# KiCad board SlowLampLEDPanel.kicad_pcb (continued)
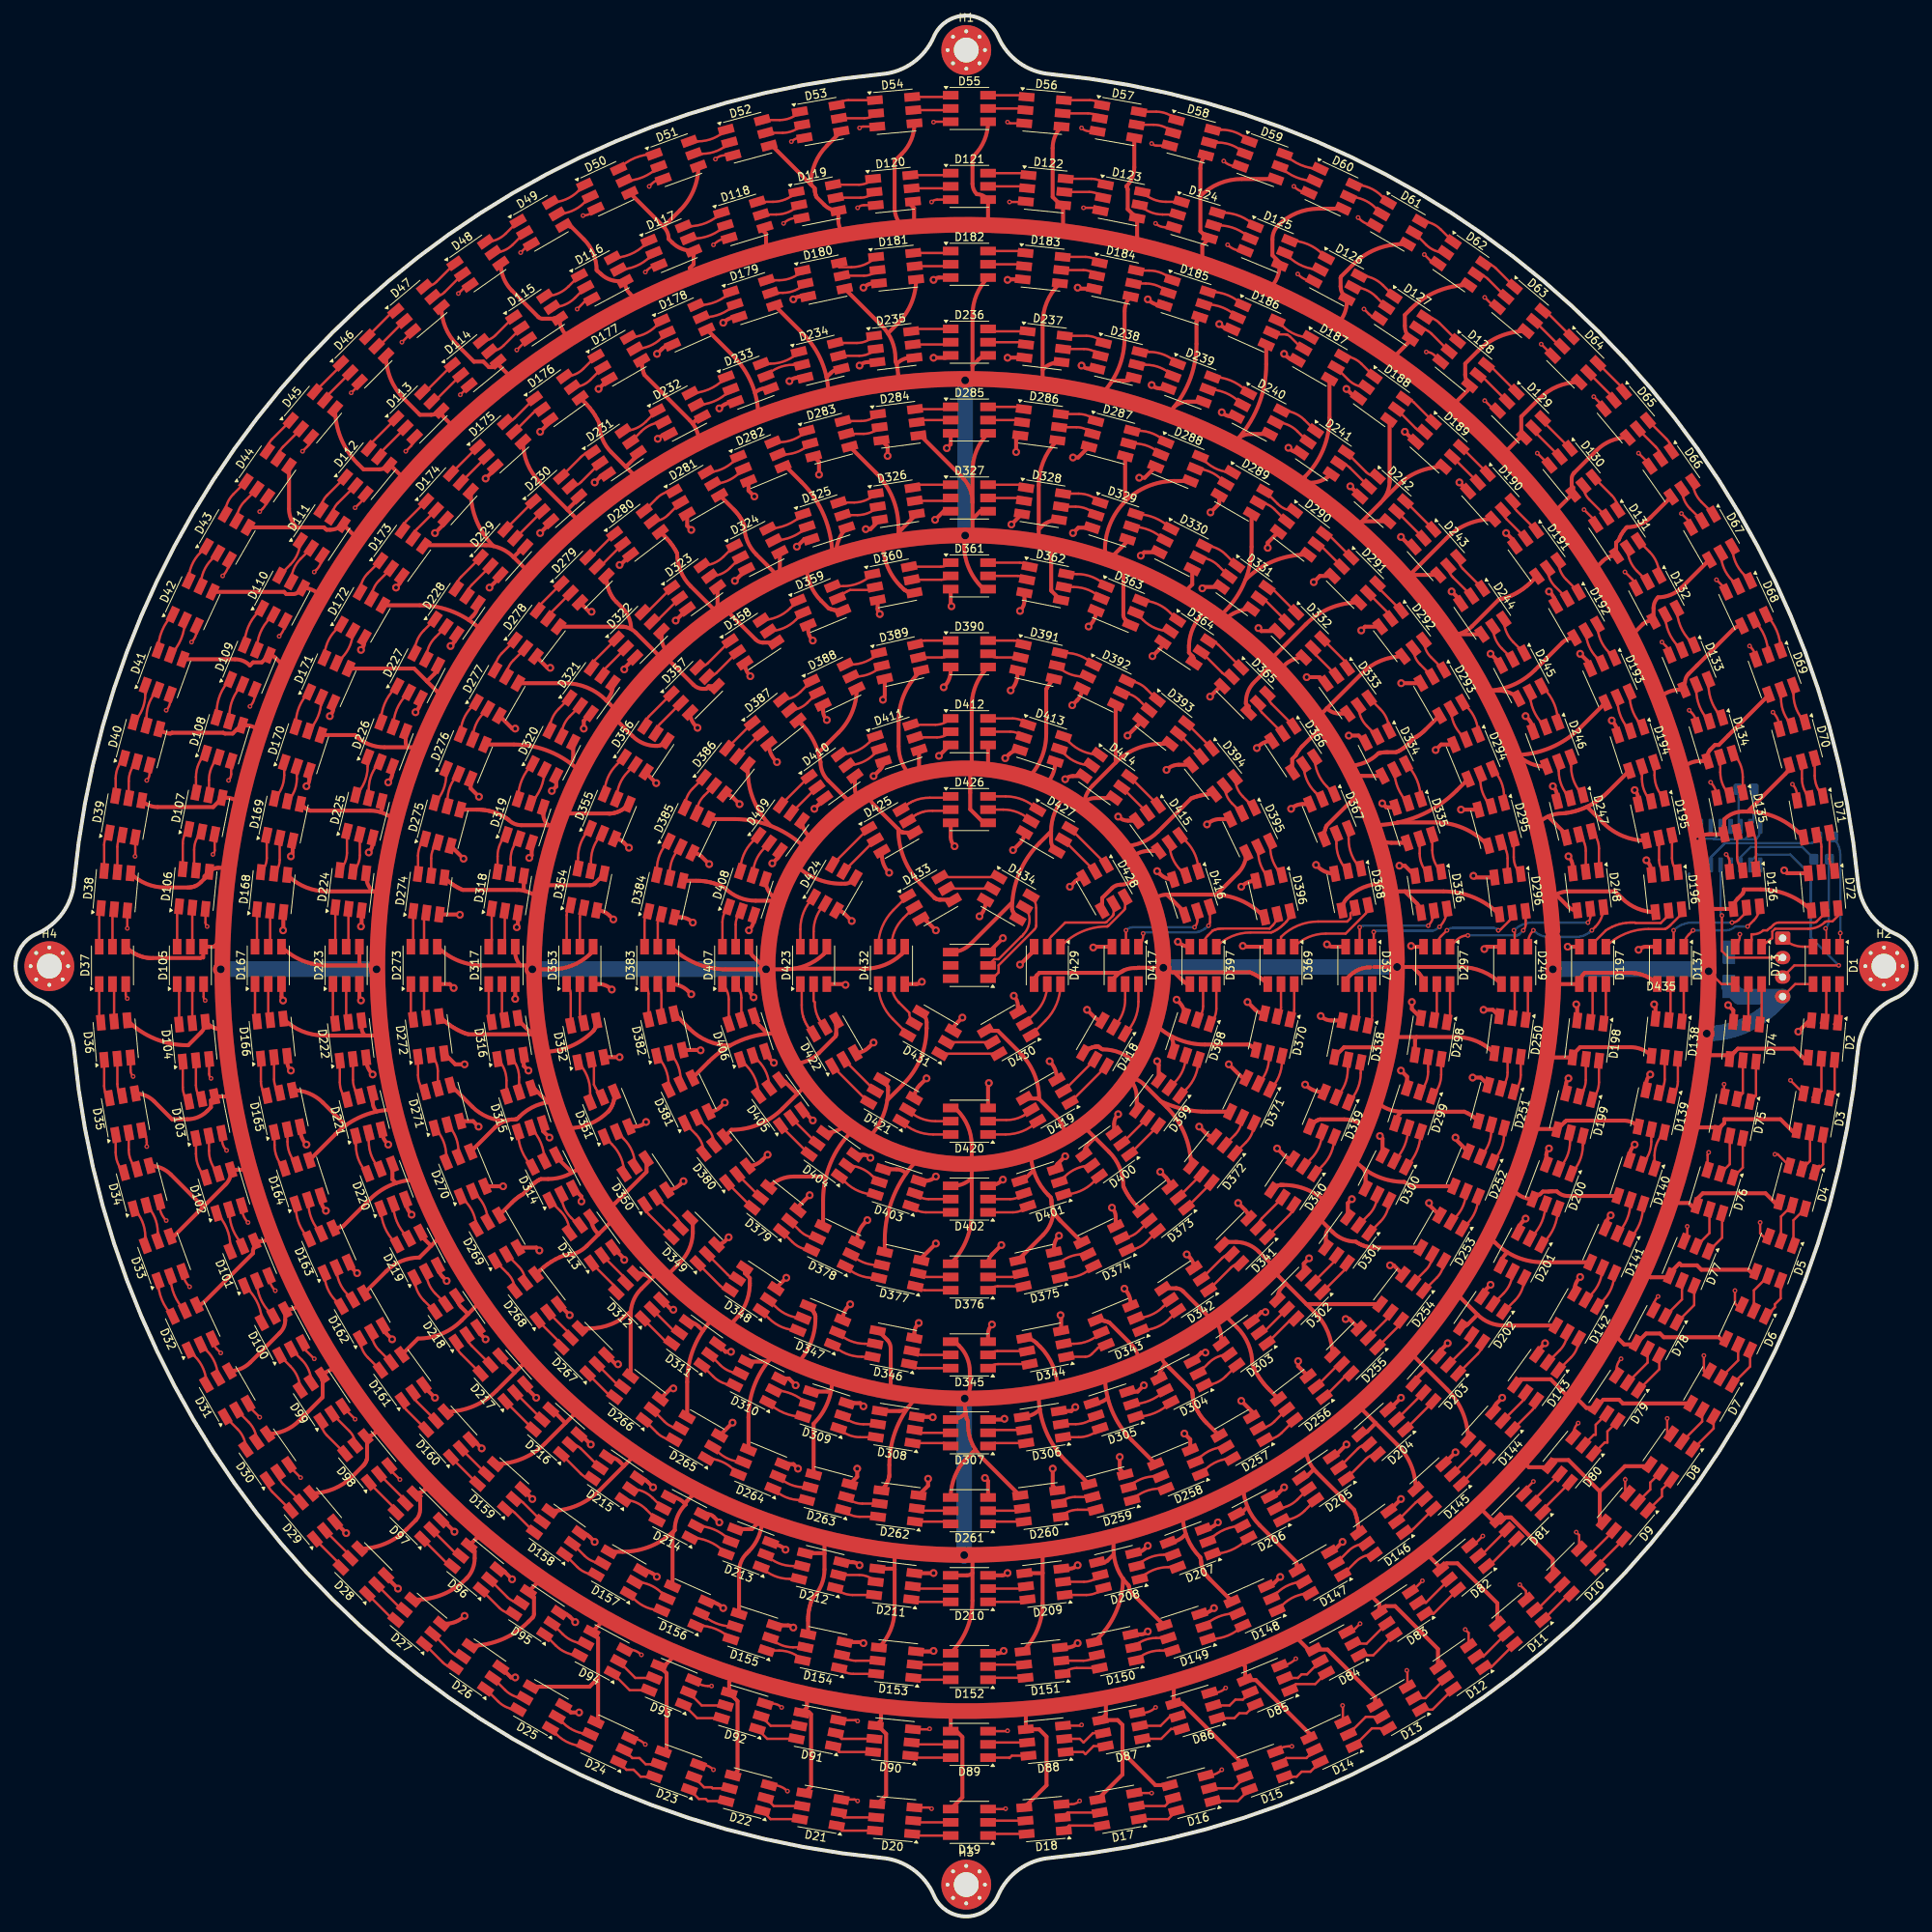
[diagram p0: board, top side]
## Routing (per net, layer and track width the routed paths; a pad name or vN(x,y) marks a point on that pad's centre or on a via; arc(x,y) is an arc through that point) (continued)
CKI: length 11.4
  Top w0.2: D1.2 232.44,126.73 v2(232.34,126.83)
  Bottom w0.3: 232.75,135.71 232.75,127.83 arc(232.64,127.29) v2(232.34,126.83)
SDI: length 14.5
  Top w0.2: v2(234.24,126.23) 234.24,124.58 D1.1
  Bottom w0.2: v2(234.24,126.23) 234.34,126.33
  Bottom w0.3: v2(234.24,126.23) 234.24,136.2 arc(233.98,137.49) 233.25,138.58
Net-(D1-CO): length 5.2
  Top w0.3: 231.94,114.89 231.73,114.68 ; D2.2 232.44,115.09 D1.5
Net-(D1-DO): length 5.3
  Top w0.3: D2.1 234.14,114.95 D1.6 ; 233.64,114.75 233.42,114.53
Net-(D2-CO): length 5.9
  Top w0.3: D2.5 231.81,105.97 D3.2 ; 231.31,105.77 230.68,105.14
Net-(D2-DO): length 6.1
  Top w0.3: 233,105.49 232.36,104.85 ; D3.1 233.5,105.69 D2.6
Net-(D3-CO): length 6.6
  Top w0.3: 229.85,96.77 228.81,95.73 ; D3.5 230.35,96.97 D4.2
Net-(D3-DO): length 6.8
  Top w0.3: D3.6 232.02,96.56 D4.1 ; 231.52,96.36 230.45,95.29
Net-(D4-CO): length 5.2
  Top w0.3: D5.2 226.62,89.85 D4.5
Net-(D4-DO): length 5.3
  Top w0.3: D5.1 228.22,89.36 D4.6
Net-(D5-CO): length 5.2
  Top w0.3: D5.5 223.14,80.36 D6.2
Net-(D5-DO): length 5.4
  Top w0.3: D6.1 225.84,78.2 225.84,78.58 226.58,79.32 D5.6
Net-(D6-CO): length 5.2
  Top w0.3: D7.2 221.12,71.37 D6.5
Net-(D6-DO): length 5.3
  Top w0.3: D6.6 222.66,70.59 D7.1
Net-(D7-CO): length 5.1
  Top w0.3: D8.2 216.5,63.53 D7.5
Net-(D7-DO): length 5.3
  Top w0.3: D7.6 217.97,62.64 D8.1
Net-(D8-CO): length 5
  Top w0.3: D8.5 209.84,55.69 209.84,54.8 D9.2
Net-(D8-DO): length 5.2
  Top w0.3: D9.1 211.34,53.91 211.34,54.82 D8.6
Net-(D10-CI): length 4.9
  Top w0.3: D9.5 201.92,46.29 D10.2
Net-(D10-CO): length 4.9
  Top w0.3: D11.2 195.28,39.36 D10.5
Net-(D10-DI): length 5
  Top w0.3: D10.1 203.12,45.1 D9.6
Net-(D10-DO): length 5
  Top w0.3: D11.1 199.42,41.4 D10.6
Net-(D11-CO): length 5
  Top w0.3: D12.2 188.38,33.35 D11.5
Net-(D11-DO): length 5.2
  Top w0.3: D12.1 189.38,31.96 D11.6
Net-(D12-CO): length 5.1
  Top w0.3: D13.2 180.98,28.02 D12.5
Net-(D12-DO): length 5.3
  Top w0.3: D13.1 181.88,26.54 D12.6
Net-(D13-CO): length 5.2
  Top w0.3: D13.5 173.32,25.62 D14.2
Net-(D13-DO): length 5.3
  Top w0.3: D13.6 174.1,24.14 D14.1
Net-(D14-CO): length 5.2
  Top w0.3: D14.5 165.71,20.33 163.11,20.33 D15.2
Net-(D14-DO): length 5.4
  Top w0.3: D14.6 166.22,18.58 165.09,18.58 164.44,17.94 D15.1
Net-(D15-CO): length 5.2
  Top w0.3: D16.2 156.36,16.45 D15.5
Net-(D15-DO): length 5.3
  Top w0.3: D15.6 156.9,14.81 D16.1
Net-(D16-CO): length 5.1
  Top w0.3: D17.2 147.55,14.17 D16.5
Net-(D16-DO): length 5.3
  Top w0.3: D16.6 147.96,12.49 D17.1
Net-(D17-CO): length 5
  Top w0.3: D17.5 135.04,13.33 D18.2
Net-(D17-DO): length 5.2
  Top w0.3: D17.6 135.21,11.66 D18.1
Net-(D18-CO): length 4.9
  Top w0.3: D18.5 125.05,12.29 D19.2
Net-(D18-DO): length 5
  Top w0.3: D19.1 125.05,10.6 D18.6
Net-(D19-CO): length 4.9
  Top w0.3: D19.5 115.45,12.08 D20.2
Net-(D19-DO): length 5
  Top w0.3: D20.1 115.31,10.38 D19.6
Net-(D20-CO): length 5
  Top w0.3: D21.2 106.33,12.71 D20.5
Net-(D20-DO): length 5.2
  Top w0.3: D20.6 106.05,11.01 D21.1
Net-(D21-CO): length 5.1
  Top w0.3: D22.2 97.32,14.17 D21.5
Net-(D21-DO): length 5.3
  Top w0.3: D21.6 96.92,12.49 D22.1
Net-(D22-CO): length 5.2
  Top w0.3: D23.2 88.38,16.58 89.34,16.58 89.47,16.45 D22.5
Net-(D22-DO): length 5.3
  Top w0.3: D22.6 88.86,14.81 88.59,15.08 87.7,15.08 D23.1
Net-(D23-CO): length 5.2
  Top w0.3: D24.2 79.17,20.33 80.09,20.33 80.88,19.53 D23.5
Net-(D23-DO): length 5.4
  Top w0.3: D23.6 80.23,17.94 79.34,18.83 78.41,18.83 D24.1
Net-(D24-CO): length 5
  Top w0.3: D25.2 70.29,24.84 arc(71.89,23.77) D24.5
Net-(D24-DO): length 5.1
  Top w0.3: D25.1 69.46,23.35 arc(71.11,22.25) D24.6
Net-(D25-CO): length 5
  Top w0.3: D26.2 62.85,29.06 arc(64,28.29) D25.5
Net-(D25-DO): length 5.1
  Top w0.3: D26.1 61.92,27.62 arc(63.11,26.82) D25.6
Net-(D26-CO): length 4.9
  Top w0.3: D27.2 55.86,33.98 arc(56.56,33.51) D26.5
Net-(D26-DO): length 5.1
  Top w0.3: D27.1 54.84,32.6 arc(55.56,32.12) D26.6
Net-(D27-CO): length 4.9
  Top w0.3: D28.2 49.39,39.57 arc(49.62,39.41) D27.5
Net-(D27-DO): length 5
  Top w0.3: D28.1 48.28,38.27 arc(48.52,38.11) D27.6
Net-(D28-CO): length 4.9
  Top w0.3: D29.2 42.75,46.5 arc(42.9,46.27) D28.5
Net-(D28-DO): length 5
  Top w0.3: D29.1 41.54,45.31 arc(41.7,45.07) D28.6
Net-(D29-CO): length 4.9
  Top w0.3: D29.5 34.33,55.51 arc(33.87,56.2) D30.2
Net-(D29-DO): length 5.1
  Top w0.3: D29.6 32.96,54.49 arc(32.48,55.2) D30.1
Net-(D30-CO): length 5
  Top w0.3: D31.2 29.91,63.46 arc(30.68,62.31) D30.5
Net-(D30-DO): length 5.1
  Top w0.3: D31.1 28.49,62.56 arc(29.28,61.38) D30.6
Net-(D31-CO): length 5
  Top w0.3: D32.2 24.53,72.64 arc(25.6,71.04) D31.5
Net-(D31-DO): length 5.1
  Top w0.3: D32.1 23.01,71.9 arc(24.11,70.25) D31.6
Net-(D32-CO): length 4.9
  Top w0.3: D32.5 arc(20.37,79.8) D33.2
Net-(D32-DO): length 5.1
  Top w0.3: D32.6 arc(18.79,79.15) D33.1
Net-(D33-CO): length 5
  Top w0.3: D33.5 18.25,87.81 arc(17.87,89.69) D34.2
Net-(D33-DO): length 5.1
  Top w0.3: D33.6 16.65,87.26 arc(16.27,89.2) D34.1
Net-(D34-CO): length 5
  Top w0.3: D35.2 14.52,98.44 arc(14.79,97.08) D34.5
Net-(D34-DO): length 5.1
  Top w0.3: D35.1 12.85,98.07 arc(13.13,96.67) D34.6
Net-(D35-CO): length 4.9
  Top w0.3: D36.2 13.06,106.85 arc(13.23,106.04) D35.5
Net-(D35-DO): length 5.1
  Top w0.3: D36.1 11.37,106.61 arc(11.54,105.76) D35.6
Net-(D36-CO): length 4.9
  Top w0.3: D36.5 12.65,119.17 arc(12.59,119.45) D37.2
Net-(D36-DO): length 5
  Top w0.3: D37.1 10.74,115.26 arc(10.79,114.97) D36.6
Net-(D37-CO): length 4.9
  Top w0.3: D37.5 12.44,128.77 arc(12.49,129.04) D38.2
Net-(D37-DO): length 5
  Top w0.3: D37.6 10.74,128.9 arc(10.79,129.18) D38.1
Net-(D38-CO): length 4.9
  Top w0.3: D38.5 13.06,137.3 arc(13.23,138.12) D39.2
Net-(D38-DO): length 5.1
  Top w0.3: D38.6 11.37,137.55 arc(11.54,138.4) D39.1
Net-(D39-CO): length 5
  Top w0.3: D39.5 14.52,145.72 arc(14.79,147.08) D40.2
Net-(D39-DO): length 5.1
  Top w0.3: D39.6 12.85,146.09 arc(13.13,147.48) D40.1
Net-(D40-CO): length 5
  Top w0.3: D40.5 16.81,153.96 arc(17.18,155.85) D41.2
Net-(D40-DO): length 5.1
  Top w0.3: D41.1 16.65,156.9 arc(16.27,154.96) D40.6
Net-(D41-CO): length 4.9
  Top w0.3: D41.5 arc(21.25,163.99) D42.2
Net-(D41-DO): length 5.1
  Top w0.3: D41.6 arc(18.79,165.01) D42.1
Net-(D42-CO): length 5
  Top w0.3: D43.2 25.2,174.23 arc(24.13,172.63) D42.5
Net-(D42-DO): length 5.1
  Top w0.3: D43.1 23.7,175.05 arc(22.6,173.41) D42.6
Net-(D43-CO): length 5
  Top w0.3: D44.2 29.41,181.67 arc(28.64,180.52) D43.5
Net-(D43-DO): length 5.1
  Top w0.3: D44.1 27.97,182.59 arc(27.18,181.41) D43.6
Net-(D44-CO): length 4.9
  Top w0.3: D45.2 34.33,188.65 arc(33.87,187.96) D44.5
Net-(D44-DO): length 5.1
  Top w0.3: D45.1 32.96,189.67 arc(32.48,188.96) D44.6
Net-(D45-CO): length 4.9
  Top w0.3: D46.2 39.92,195.13 arc(39.77,194.9) D45.5
Net-(D45-DO): length 5
  Top w0.3: D45.6 41.54,198.84 arc(41.7,199.08) D46.1
Net-(D46-CO): length 4.9
  Top w0.3: D47.2 46.86,201.77 arc(46.63,201.61) D46.5
Net-(D46-DO): length 5
  Top w0.3: D46.6 48.28,205.89 arc(48.52,206.05) D47.1
Net-(D47-CO): length 4.9
  Top w0.3: D48.2 55.08,208.51 arc(54.39,208.05) D47.5
Net-(D47-DO): length 5.1
  Top w0.3: D48.1 54.04,209.84 arc(53.32,209.36) D47.6
Net-(D48-CO): length 5
  Top w0.3: D49.2 63.82,214.6 arc(62.67,213.83) D48.5
Net-(D48-DO): length 5.1
  Top w0.3: D49.1 62.92,216.03 arc(61.73,215.23) D48.6
Net-(D49-CO): length 5
  Top w0.3: D50.2 73,219.99 arc(71.4,218.92) D49.5
Net-(D49-DO): length 5.1
  Top w0.3: D50.1 72.26,221.5 arc(70.61,220.4) D49.6
Net-(D50-CO): length 4.9
  Top w0.3: D50.5 arc(80.52,223.26) D51.2
Net-(D50-DO): length 5.1
  Top w0.3: D50.6 arc(79.5,225.73) D51.1
Net-(D51-CO): length 5
  Top w0.3: D51.5 88.16,226.27 arc(90.05,226.64) D52.2
Net-(D51-DO): length 5.1
  Top w0.3: D51.6 87.62,227.86 arc(89.56,228.25) D52.1
Net-(D52-CO): length 5
  Top w0.3: D52.5 98.46,228.95 arc(99.82,229.22) D53.2
Net-(D52-DO): length 5.1
  Top w0.3: D52.6 98.09,230.59 arc(99.49,230.87) D53.1
Net-(D53-CO): length 4.9
  Top w0.3: D53.5 108.95,230.82 arc(109.76,230.99) D54.2
Net-(D53-DO): length 5.1
  Top w0.3: D54.1 106.92,233.15 arc(106.12,232.99) 105.44,232.54 D53.6
Net-(D54-CO): length 4.9
  Top w0.3: D54.5 119.53,231.87 arc(119.8,231.92) D55.2
Net-(D54-DO): length 5
  Top w0.3: D54.6 119.52,233.56 arc(119.8,233.62) D55.1
Net-(D55-CO): length 4.9
  Top w0.3: D55.5 129.13,232.08 arc(129.4,232.02) D56.2
Net-(D55-DO): length 5
  Top w0.3: D55.6 129.26,233.78 arc(129.54,233.72) D56.1
Net-(D56-CO): length 4.9
  Top w0.3: D56.5 137.66,231.45 arc(138.48,231.29) D57.2
Net-(D56-DO): length 5.1
  Top w0.3: D56.6 137.91,233.15 arc(138.75,232.98) D57.1
Net-(D57-CO): length 5
  Top w0.3: D57.5 146.08,229.99 arc(147.44,229.72) D58.2
Net-(D57-DO): length 5.1
  Top w0.3: D57.6 146.44,231.67 arc(147.84,231.39) D58.1
Net-(D58-CO): length 5
  Top w0.3: D58.5 154.32,227.71 arc(156.2,227.33) D59.2
Net-(D58-DO): length 5.1
  Top w0.3: D58.6 154.79,229.35 arc(156.74,228.97) D59.1
Net-(D59-CO): length 4.9
  Top w0.3: D59.5 arc(164.35,223.26) D60.2
Net-(D59-DO): length 5.1
  Top w0.3: D59.6 arc(164.99,224.82) D60.1
Net-(D60-CO): length 5
  Top w0.3: D61.2 174.59,219.32 arc(172.99,220.38) D60.5
Net-(D60-DO): length 5.1
  Top w0.3: D61.1 175.41,220.81 arc(173.76,221.91) D60.6
Net-(D61-CO): length 5
  Top w0.3: D61.5 181.06,214.6 arc(182.21,213.83) D62.2
Net-(D61-DO): length 5.1
  Top w0.3: D62.1 182.95,216.54 arc(181.76,217.34) D61.6
Net-(D62-CO): length 4.9
  Top w0.3: D63.2 189.01,210.18 arc(188.31,210.65) D62.5
Net-(D62-DO): length 5.1
  Top w0.3: D63.1 190.03,211.56 arc(189.32,212.03) D62.6
Net-(D63-CO): length 4.9
  Top w0.3: D63.5 198.02,201.77 arc(198.25,201.61) D64.2
Net-(D63-DO): length 5
  Top w0.3: D64.1 196.6,205.89 arc(196.36,206.05) D63.6
Net-(D64-CO): length 4.9
  Top w0.3: D64.5 204.95,195.13 arc(205.1,194.9) D65.2
Net-(D64-DO): length 5
  Top w0.3: D64.6 206.25,196.24 arc(206.41,196) D65.1
Net-(D65-CO): length 4.9
  Top w0.3: D65.5 210.54,188.65 arc(211,187.96) D66.2
Net-(D65-DO): length 5.1
  Top w0.3: D65.6 211.91,189.67 arc(212.39,188.96) D66.1
Net-(D66-CO): length 5
  Top w0.3: D67.2 214.96,180.7 arc(214.19,181.85) D66.5
Net-(D66-DO): length 5.1
  Top w0.3: D67.1 216.38,181.6 arc(215.59,182.78) D66.6
Net-(D67-CO): length 5
  Top w0.3: D68.2 220.34,171.52 arc(219.27,173.11) D67.5
Net-(D67-DO): length 5.1
  Top w0.3: D68.1 221.86,172.26 arc(220.76,173.91) D67.6
Net-(D68-CO): length 4.9
  Top w0.3: D68.5 arc(224.5,164.36) D69.2
Net-(D68-DO): length 5.1
  Top w0.3: D68.6 arc(226.09,165.01) D69.1
Net-(D69-CO): length 5
  Top w0.3: D69.5 226.62,156.35 arc(227,154.47) D70.2
Net-(D69-DO): length 5.1
  Top w0.3: D69.6 228.22,156.9 arc(228.61,154.96) D70.1
Net-(D70-CO): length 5
  Top w0.3: D70.5 229.31,146.05 arc(229.58,144.7) D71.2
Net-(D70-DO): length 5.1
  Top w0.3: D70.6 230.95,146.43 arc(231.23,145.03) D71.1
Net-(D71-CO): length 4.9
  Top w0.3: D72.2 231.81,137.3 arc(231.65,138.12) D71.5
Net-(D71-DO): length 5.1
  Top w0.3: D71.6 232.86,135.77 arc(233.02,134.92) D72.1
Net-(D72-CO): length 12.5
  Top w0.3: D73.2 arc(222.73,124.92) 222.84,125.45 222.84,126.08 223.13,126.08 arc(223.78,126.21) 224.34,126.58 224.84,126.58 224.96,126.69 225.22,126.9 225.32,126.96 225.65,127.28 arc(225.98,127.5) 226.37,127.58 230.85,127.58 arc(231.02,127.6) 231.17,127.69 231.22,127.73 231.85,128.36 arc(232.13,128.78) D72.5
Net-(D72-DO): length 13.1
  Top w0.3: D73.1 224.34,124.68 224.76,125.04 225.21,125.38 225.51,125.57 225.51,126.44 225.86,126.78 230.12,126.78 arc(231.23,126.98) 232.19,127.57 232.31,127.69 232.44,127.71 232.61,127.73 232.76,127.73 233.23,127.73 233.92,128.42 D72.6 233.92,129.3 arc(233.9,129.17) 233.87,129.05
Net-(D73-CO): length 5.1
  Top w0.3: D73.5 222.44,115.26 arc(222.37,114.94) D74.2
Net-(D73-DO): length 5.2
  Top w0.3: D73.6 224.14,115.11 arc(224.07,114.78) D74.1
Net-(D74-CO): length 5.3
  Top w0.3: D75.2 221.72,105.66 D74.5
Net-(D74-DO): length 5.4
  Top w0.3: D74.6 223.41,105.35 D75.1
Net-(D75-CO): length 5.4
  Top w0.3: D75.5 220.05,96.57 D76.2
Net-(D75-DO): length 5.6
  Top w0.3: D76.1 221.71,96.11 D75.6
Net-(D76-CO): length 5.4
  Top w0.3: D76.5 217.43,87.72 D77.2
Net-(D76-DO): length 5.6
  Top w0.3: D76.6 219.06,87.12 D77.1
Net-(D77-CO): length 5.4
  Top w0.3: D77.5 213.91,79.2 D78.2
Net-(D77-DO): length 5.6
  Top w0.3: D77.6 215.48,78.47 D78.1
Net-(D78-CO): length 5.4
  Top w0.3: D79.2 209.5,71.1 D78.5
Net-(D78-DO): length 5.6
  Top w0.3: D79.1 211,70.24 D78.6
Net-(D79-CO): length 5.4
  Top w0.3: D79.5 202.84,63.11 202.84,61.83 202.59,61.83 D80.2
Net-(D79-DO): length 5.7
  Top w0.3: D80.1 203.99,60.83 204.34,60.83 204.34,62.26 D79.6
Net-(D80-CO): length 5.1
  Top w0.3: D81.2 194.84,53.41 D80.5
Net-(D80-DO): length 5.3
  Top w0.3: D80.6 196.05,52.22 D81.1
Net-(D81-CO): length 5.1
  Top w0.3: D81.5 188.08,46.3 D82.2
Net-(D81-DO): length 5.3
  Top w0.3: D82.1 189.17,44.99 D81.6
Net-(D82-CO): length 5.3
  Top w0.3: D82.5 181.03,40.27 D83.2
Net-(D82-DO): length 5.4
  Top w0.3: D82.6 182.01,38.85 D83.1
Net-(D83-CO): length 5.4
  Top w0.3: D84.2 173.42,35.02 D83.5
Net-(D83-DO): length 5.6
  Top w0.3: D83.6 174.28,33.52 D84.1
Net-(D84-CO): length 5.4
  Top w0.3: D85.2 164.62,30.61 165.09,31.08 165.78,31.08 D84.5
Net-(D84-DO): length 5.6
  Top w0.3: D85.1 164.36,29.83 166.83,29.83 D84.6
Net-(D85-CO): length 5.4
  Top w0.3: D86.2 155.84,27.08 156.59,27.83 157.54,27.83 D85.5
Net-(D85-DO): length 5.6
  Top w0.3: D85.6 158.02,26.08 157.09,26.08 156.46,25.46 D86.1
Net-(D86-CO): length 5.4
  Top w0.3: D86.5 148.2,25.69 146.98,24.47 D87.2
Net-(D86-DO): length 5.6
  Top w0.3: D87.1 147.06,22.8 148.32,24.06 D86.6
Net-(D87-CO): length 5.7
  Top w0.3: D87.5 138.29,23.53 137.09,22.33 136.62,22.8 D88.2
Net-(D87-DO): length 5.7
  Top w0.3: D87.6 138.37,21.87 137.34,20.83 137.06,21.1 D88.1
Net-(D88-CO): length 5.1
  Top w0.3: D89.2 125.08,22.33 D88.5
Net-(D88-DO): length 5.3
  Top w0.3: D89.1 127.54,20.38 127.59,20.33 127.89,20.63 D88.6
Net-(D89-CO): length 5.1
  Top w0.3: D89.5 115.27,22.08 D90.2
Net-(D89-DO): length 5.3
  Top w0.3: D89.6 115.11,20.38 D90.1
Net-(D90-CO): length 5.3
  Top w0.3: D91.2 106.02,22.8 D90.5
Net-(D90-DO): length 5.4
  Top w0.3: D91.1 105.71,21.1 D90.6
Net-(D91-CO): length 5.4
  Top w0.3: D92.2 96.92,24.47 D91.5
Net-(D91-DO): length 5.6
  Top w0.3: D91.6 96.47,22.8 D92.1
Net-(D92-CO): length 5.4
  Top w0.3: D92.5 88.08,27.08 D93.2
Net-(D92-DO): length 5.6
  Top w0.3: D93.1 87.48,25.46 D92.6
Net-(D93-CO): length 5.4
  Top w0.3: D93.5 79.56,30.61 D94.2
Net-(D93-DO): length 5.6
  Top w0.3: D94.1 78.83,29.04 D93.6
Net-(D94-CO): length 5.2
  Top w0.3: D95.2 70.24,36.24 arc(71.59,35.34) D94.5
Net-(D94-DO): length 5.4
  Top w0.3: D95.1 69.34,34.78 arc(70.73,33.85) D94.6
Net-(D95-CO): length 5.2
  Top w0.3: D96.2 63.11,41 arc(63.92,40.46) D95.5
Net-(D95-DO): length 5.3
  Top w0.3: D96.1 62.1,39.61 arc(62.95,39.05) D95.6
Net-(D96-CO): length 5.1
  Top w0.3: D97.2 56.55,46.55 arc(56.82,46.36) D96.5
Net-(D96-DO): length 5.2
  Top w0.3: D97.1 55.45,45.24 arc(55.73,45.05) D96.6
Net-(D97-CO): length 5.1
  Top w0.3: D98.2 50.03,53.41 D97.5
Net-(D97-DO): length 5.3
  Top w0.3: D98.1 48.83,52.22 D97.6
Net-(D98-CO): length 5.2
  Top w0.3: D99.2 42.88,62.27 arc(43.42,61.46) D98.5
Net-(D98-DO): length 5.3
  Top w0.3: D98.6 39.97,61.75 arc(39.41,62.59) D99.1
Net-(D100-CI): length 5.2
  Top w0.3: D100.2 36.74,71.46 arc(37.64,70.11) D99.5
Net-(D100-CO): length 5.2
  Top w0.3: D100.5 32.66,77.51 arc(31.41,79.38) D101.2
Net-(D100-DI): length 5.4
  Top w0.3: D100.1 35.28,70.62 arc(36.22,69.22) D99.6
Net-(D100-DO): length 5.4
  Top w0.3: D101.1 29.87,80.47 arc(31.16,78.54) D100.6
Net-(D101-CO): length 5.3
  Top w0.3: D101.5 29.24,86.14 arc(27.91,88.13) 27.44,90.48 D102.2
Net-(D101-DO): length 5.4
  Top w0.3: D101.6 27.56,86.04 arc(27.11,88.33) D102.1
Net-(D102-CO): length 5.2
  Top w0.3: D103.2 24.83,98.29 arc(25.14,96.7) D102.5
Net-(D102-DO): length 5.4
  Top w0.3: D103.1 23.16,97.9 arc(23.49,96.25) D102.6
Net-(D103-CO): length 5.2
  Top w0.3: D104.2 23.15,106.7 arc(23.34,105.74) D103.5
Net-(D103-DO): length 5.3
  Top w0.3: D104.1 21.46,106.43 arc(21.66,105.44) D103.6
Net-(D104-CO): length 5.1
  Top w0.3: D104.5 22.68,119.08 arc(22.62,119.41) D105.2
Net-(D104-DO): length 5.2
  Top w0.3: D104.6 20.99,119.07 arc(20.93,119.4) D105.1
Net-(D105-CO): length 5.1
  Top w0.3: D106.2 22.68,125.07 arc(22.62,124.75) D105.5
Net-(D105-DO): length 5.2
  Top w0.3: D105.6 20.74,129.04 arc(20.8,129.38) D106.1
Net-(D106-CO): length 5.3
  Top w0.3: D106.5 23.09,134.34 23.02,134.42 22.97,134.5 22.92,134.6 22.92,136.9 arc(23.17,138.16) D107.2
Net-(D106-DO): length 5.3
  Top w0.3: D106.6 21.46,137.73 arc(21.66,138.72) D107.1
Net-(D107-CO): length 5.2
  Top w0.3: D107.5 24.83,145.87 arc(25.14,147.46) D108.2
Net-(D107-DO): length 5.4
  Top w0.3: D107.6 23.16,146.26 arc(23.49,147.91) D108.1
Net-(D108-CO): length 5.2
  Top w0.3: D108.5 27.44,154.05 arc(27.88,156.26) D109.2
Net-(D108-DO): length 5.4
  Top w0.3: D108.6 25.81,154.56 arc(26.27,156.85) D109.1
Net-(D109-CO): length 5.2
  Top w0.3: D110.2 32.66,166.65 arc(31.41,164.77) D109.5
Net-(D109-DO): length 5.4
  Top w0.3: D110.1 31.14,167.43 arc(29.85,165.5) D109.6
Net-(D110-CO): length 5.2
  Top w0.3: D111.2 36.6,174.28 arc(35.69,172.93) D110.5
Net-(D110-DO): length 5.4
  Top w0.3: D110.6 35.28,173.54 arc(36.22,174.94) D111.1
Net-(D111-CO): length 5.2
  Top w0.3: D112.2 41.36,181.41 arc(40.81,180.59) D111.5
Net-(D111-DO): length 5.3
  Top w0.3: D112.1 39.97,182.41 arc(39.41,181.57) D111.6
Net-(D112-CO): length 5.1
  Top w0.3: D113.2 46.9,187.97 arc(46.72,187.7) D112.5
Net-(D112-DO): length 5.2
  Top w0.3: D113.1 45.6,189.07 arc(45.41,188.78) D112.6
Net-(D113-CO): length 5.1
  Top w0.3: D114.2 54.02,194.73 arc(53.74,194.55) D113.5
Net-(D113-DO): length 5.2
  Top w0.3: D114.1 52.84,195.94 arc(52.55,195.76) D113.6
Net-(D114-CO): length 5.2
  Top w0.3: D115.2 62.63,201.64 arc(61.81,201.09) D114.5
Net-(D114-DO): length 5.3
  Top w0.3: D115.1 61.61,202.98 arc(60.77,202.41) D114.6
Net-(D115-CO): length 5.2
  Top w0.3: D116.2 71.82,207.78 arc(70.47,206.88) D115.5
Net-(D115-DO): length 5.4
  Top w0.3: D116.1 70.97,209.23 arc(69.58,208.3) D115.6
Net-(D116-CO): length 5.2
  Top w0.3: D117.2 81.5,213.09 arc(79.62,211.84) D116.5
Net-(D116-DO): length 5.4
  Top w0.3: D117.1 80.83,214.65 arc(78.9,213.36) D116.6
Net-(D117-CO): length 5.2
  Top w0.3: D117.5 87.03,215.39 arc(89.24,215.83) D118.2
Net-(D117-DO): length 5.4
  Top w0.3: D117.6 86.4,216.96 arc(88.68,217.41) D118.1
Net-(D118-CO): length 5.2
  Top w0.3: D118.5 97.63,218.47 arc(99.22,218.79) D119.2
Net-(D118-DO): length 5.4
  Top w0.3: D118.6 97.2,220.1 arc(98.85,220.42) D119.1
Net-(D119-CO): length 5.2
  Top w0.3: D119.5 108.47,220.63 arc(109.43,220.82) D120.2
Net-(D119-DO): length 5.3
  Top w0.3: D119.6 108.24,222.29 arc(109.24,222.49) D120.1
Net-(D120-CO): length 5.1
  Top w0.3: D120.5 119.44,221.83 arc(119.76,221.9) D121.2
Net-(D120-DO): length 5.2
  Top w0.3: D120.6 119.42,223.52 arc(119.75,223.59) D121.1
Net-(D121-CO): length 5.1
  Top w0.3: D121.5 129.26,222.08 arc(129.58,222.02) D122.2
Net-(D121-DO): length 5.2
  Top w0.3: D121.6 129.4,223.78 arc(129.73,223.71) D122.1
Net-(D122-CO): length 5.2
  Top w0.3: D122.5 137.81,221.36 arc(138.78,221.17) D123.2
Net-(D122-DO): length 5.3
  Top w0.3: D122.6 138.09,223.05 arc(139.08,222.86) D123.1
Net-(D123-CO): length 5.2
  Top w0.3: D124.2 147.24,218.47 arc(145.65,218.79) D123.5
Net-(D123-DO): length 5.4
  Top w0.3: D124.1 147.67,220.1 arc(146.03,220.42) D123.6
Net-(D124-CO): length 5.2
  Top w0.3: D124.5 154.41,217.08 arc(156.61,216.64) D125.2
Net-(D124-DO): length 5.4
  Top w0.3: D124.6 154.92,218.7 arc(157.2,218.25) D125.1
Net-(D125-CO): length 5.2
  Top w0.3: D125.5 163.38,213.09 arc(165.25,211.84) D126.2
Net-(D125-DO): length 5.4
  Top w0.3: D126.1 167.79,213.37 arc(165.86,214.67) D125.6
Net-(D126-CO): length 5.2
  Top w0.3: D127.2 174.64,207.92 arc(173.29,208.82) D126.5
Net-(D126-DO): length 5.4
  Top w0.3: D127.1 175.54,209.38 arc(174.14,210.31) D126.6
Net-(D127-CO): length 5.2
  Top w0.3: D128.2 181.77,203.16 arc(180.95,203.7) D127.5
Net-(D127-DO): length 5.3
  Top w0.3: D128.1 182.77,204.55 arc(181.93,205.11) D127.6
Net-(D128-CO): length 5.1
  Top w0.3: D129.2 188.33,197.61 arc(188.05,197.79) D128.5
Net-(D128-DO): length 5.2
  Top w0.3: D129.1 189.42,198.92 arc(189.14,199.11) D128.6
Net-(D129-CO): length 5.1
  Top w0.3: D130.2 195.09,190.5 arc(194.91,190.77) D129.5
Net-(D129-DO): length 5.2
  Top w0.3: D130.1 196.3,191.68 arc(196.11,191.96) D129.6
Net-(D130-CO): length 5.2
  Top w0.3: D131.2 202,181.89 arc(201.45,182.7) D130.5
Net-(D130-DO): length 5.3
  Top w0.3: D130.6 204.9,182.41 arc(205.47,181.57) D131.1
Net-(D131-CO): length 5.2
  Top w0.3: D132.2 208.14,172.7 arc(207.23,174.05) D131.5
Net-(D131-DO): length 5.4
  Top w0.3: D131.6 209.74,175.18 arc(210.67,173.78) D132.1
Net-(D132-CO): length 5.2
  Top w0.3: D133.2 213.45,163.02 arc(212.2,164.89) D132.5
Net-(D132-DO): length 5.4
  Top w0.3: D133.1 215.01,163.69 arc(213.71,165.62) D132.6
Net-(D133-CO): length 5.2
  Top w0.3: D133.5 215.74,157.49 arc(216.18,155.28) D134.2
Net-(D133-DO): length 5.4
  Top w0.3: D133.6 217.31,158.12 arc(217.77,155.83) D134.1
Net-(D134-CO): length 5.2
  Top w0.3: D134.5 218.83,146.89 arc(219.14,145.29) D135.2
Net-(D134-DO): length 5.4
  Top w0.3: D135.1 221.71,146.26 arc(221.39,147.91) D134.6
Net-(D135-CO): length 5.2
  Top w0.3: D135.5 220.98,136.05 arc(221.17,135.09) D136.2
Net-(D135-DO): length 5.3
  Top w0.3: D136.1 223.41,137.73 arc(223.21,138.72) D135.6
Net-(D136-CO): length 12.8
  Top w0.3: v2(212.84,126.58) 212.84,125.45 arc(212.73,124.92) D137.2 ; D136.5 222.19,129.46 222.19,129.34 222.14,129.09 222.04,128.86 221.9,128.65 221.81,128.56 221.19,127.93 arc(220.8,127.67) v2(220.34,127.58)
  Bottom w0.3: v2(220.34,127.58) 215.25,127.58 arc(213.94,127.32) v2(212.84,126.58)
Net-(D136-DO): length 12.7
  Top w0.3: v2(215.34,126.58) 214.77,126.02 arc(214.3,125.31) D137.1 ; v2(222.34,127.08) 223.15,127.89 arc(223.69,128.7) D136.6
  Bottom w0.3: v2(222.34,127.08) 220.76,127.08 arc(220.2,126.71) 219.55,126.58 v2(215.34,126.58)
Net-(D137-CO): length 4.7
  Top w0.3: D137.5 212.44,115.64 arc(212.37,115.33) D138.2
Net-(D137-DO): length 4.9
  Top w0.3: D137.6 214.14,115.49 arc(214.07,115.16) D138.1
Net-(D138-CO): length 4.8
  Top w0.3: D138.5 211.69,107.46 arc(211.5,106.52) D139.2
Net-(D138-DO): length 4.9
  Top w0.3: D138.6 213.38,107.18 arc(213.19,106.19) D139.1
Net-(D139-CO): length 4.8
  Top w0.3: D139.5 209.97,99.44 arc(209.66,97.88) D140.2
Net-(D139-DO): length 5
  Top w0.3: D140.1 210.39,97.66 arc(210.71,99.29) D139.6
Net-(D140-CO): length 4.8
  Top w0.3: D140.5 207.29,91.67 arc(206.86,89.5) D141.2
Net-(D140-DO): length 4.9
  Top w0.3: D140.6 208.91,91.13 arc(208.46,88.88) D141.1
Net-(D141-CO): length 4.8
  Top w0.3: D142.2 202.25,79.83 arc(203.31,81.41) D141.5
Net-(D141-DO): length 5
  Top w0.3: D142.1 203.75,79 arc(204.85,80.65) D141.6
Net-(D142-CO): length 4.8
  Top w0.3: D143.2 198.22,72.68 arc(198.93,73.74) D142.5
Net-(D142-DO): length 5
  Top w0.3: D143.1 199.65,71.74 arc(200.39,72.85) D142.6
Net-(D143-CO): length 4.7
  Top w0.3: D144.2 193.35,66.07 arc(193.71,66.61) D143.5
Net-(D143-DO): length 4.9
  Top w0.3: D144.1 194.71,65.03 arc(195.08,65.58) D143.6
Net-(D144-CO): length 4.6
  Top w0.3: D144.5 D145.2
Net-(D144-DO): length 4.8
  Top w0.3: D144.6 D145.1
Net-(D145-CO): length 4.7
  Top w0.3: D146.2 179.71,53.11 arc(180.24,53.46) D145.5
Net-(D145-DO): length 4.9
  Top w0.3: D145.6 179.49,49.81 arc(178.93,49.43) D146.1
Net-(D146-CO): length 4.8
  Top w0.3: D147.2 171.07,46.9 arc(172.14,47.61) D146.5
Net-(D146-DO): length 5
  Top w0.3: D147.1 171.98,45.48 arc(173.09,46.22) D146.6
Net-(D147-CO): length 4.8
  Top w0.3: D148.2 161.91,41.51 arc(163.49,42.57) D147.5
Net-(D147-DO): length 5
  Top w0.3: D148.1 162.62,39.98 arc(164.27,41.08) D147.6
Net-(D148-CO): length 4.8
  Top w0.3: D148.5 156.53,38.88 arc(154.37,38.45) D149.2
Net-(D148-DO): length 4.9
  Top w0.3: D149.1 153.38,35.61 arc(155.63,36.06) D148.6
Net-(D149-CO): length 4.8
  Top w0.3: D149.5 146.39,35.74 arc(144.82,35.43) D150.2
Net-(D149-DO): length 5
  Top w0.3: D149.6 146.85,34.13 arc(145.23,33.8) D150.1
Net-(D150-CO): length 4.8
  Top w0.3: D151.2 137.05,32.82 arc(138,33.01) D150.5
Net-(D150-DO): length 4.9
  Top w0.3: D150.6 136.22,31.88 arc(135.24,31.69) D151.1
Net-(D151-CO): length 4.7
  Top w0.3: D151.5 125.42,32.32 arc(125.11,32.26) D152.2
Net-(D151-DO): length 4.9
  Top w0.3: D151.6 125.44,30.63 arc(125.12,30.57) D152.1
Net-(D152-CO): length 4.7
  Top w0.3: D153.2 119.45,32.32 arc(119.77,32.26) D152.5
Net-(D152-DO): length 4.9
  Top w0.3: D152.6 115.85,30.38 arc(115.52,30.44) D153.1
Net-(D153-CO): length 4.8
  Top w0.3: D153.5 107.82,32.82 arc(106.87,33.01) D154.2
Net-(D153-DO): length 4.9
  Top w0.3: D153.6 107.53,31.13 arc(106.55,31.33) D154.1
Net-(D154-CO): length 4.8
  Top w0.3: D154.5 99.8,34.55 arc(98.23,34.86) D155.2